# KiCad board System-Controller-UVC.kicad_pcb
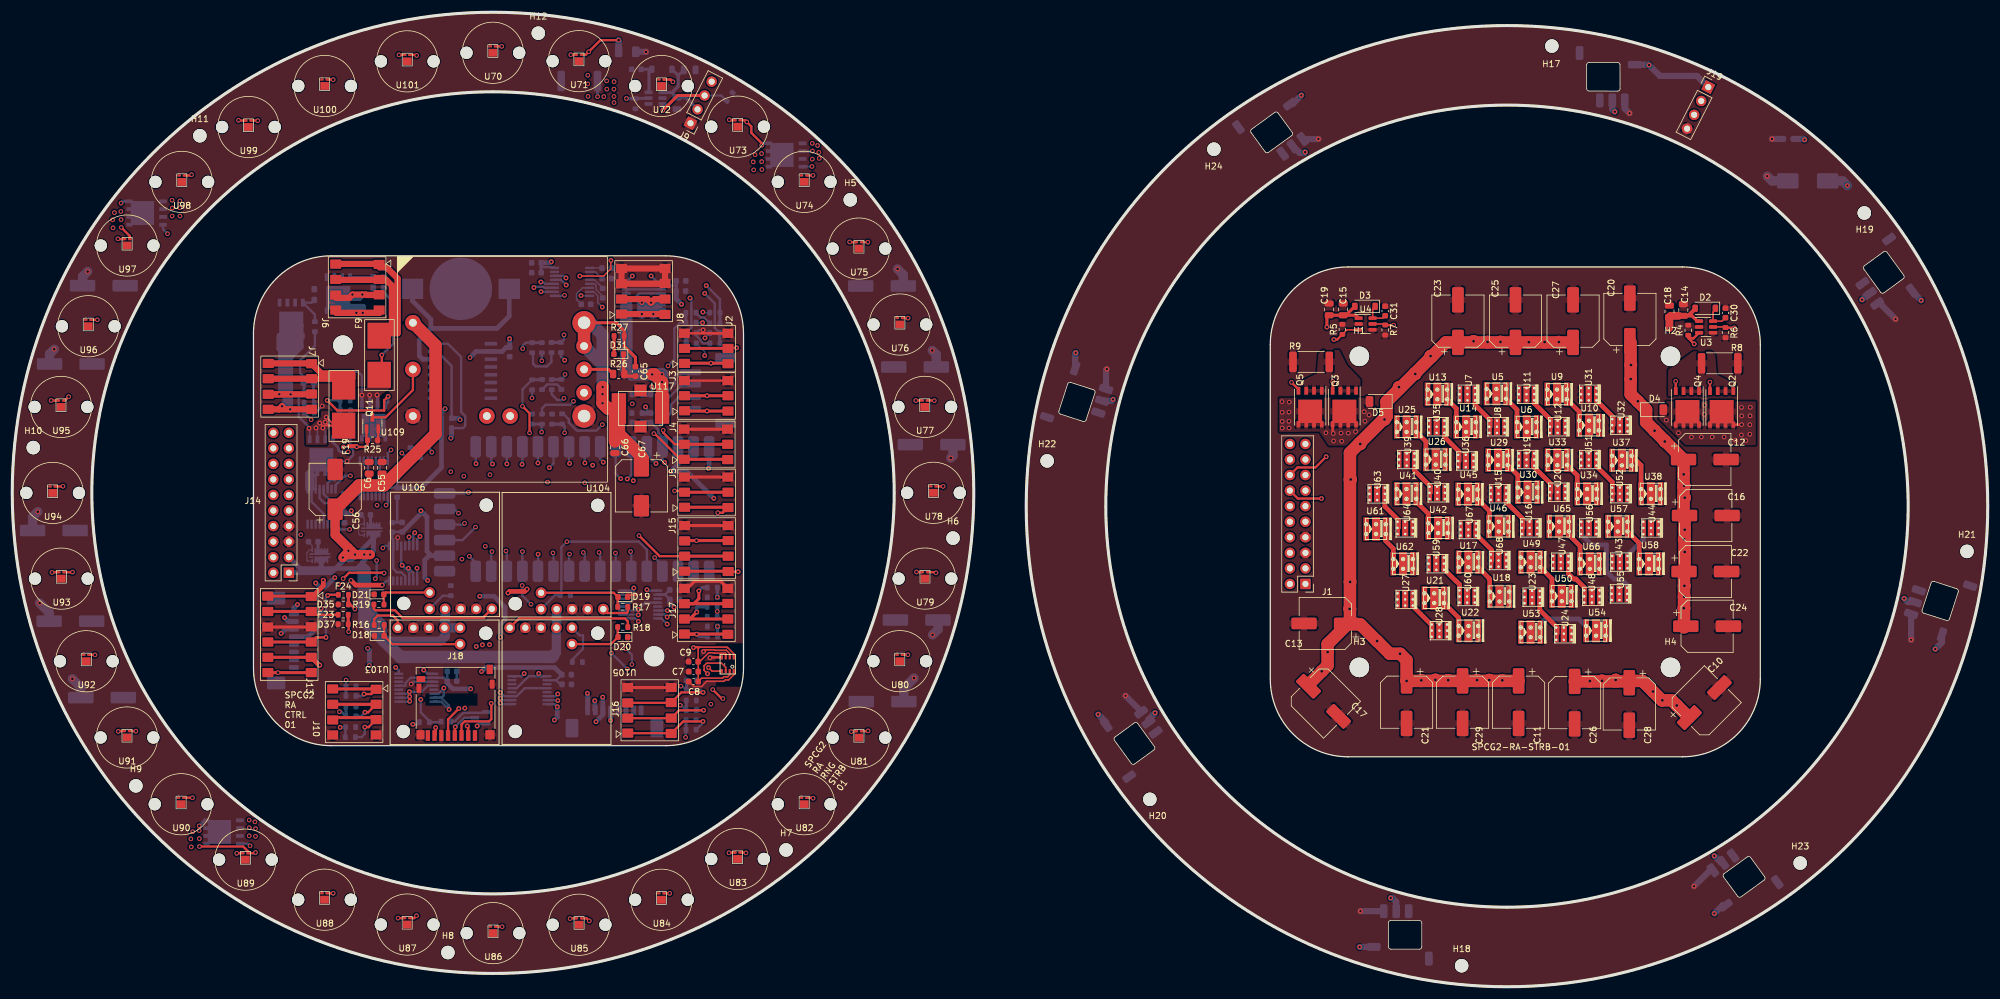
[diagram p0: board, top side]
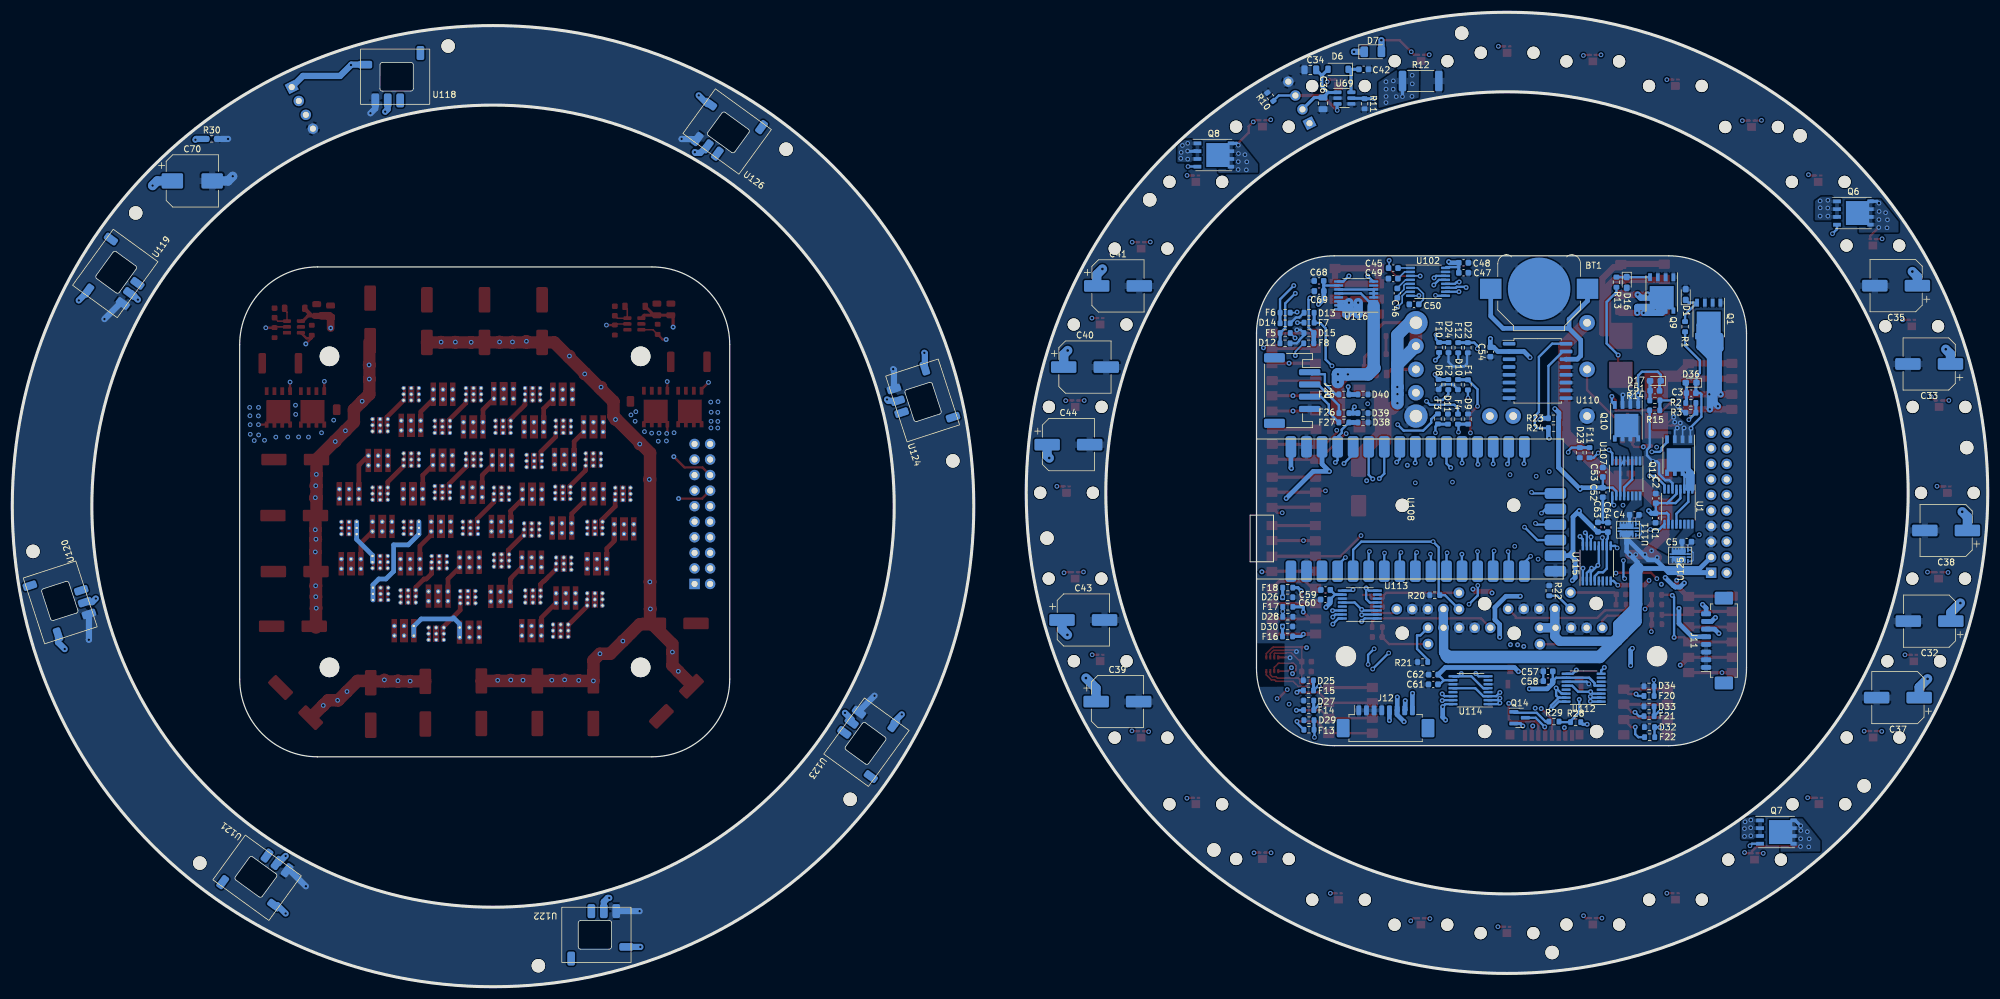
[diagram p1: board, bottom side, seen from below]

Outline 322.5 x 159.15 mm; copper layers: Top, In1.Cu, In2.Cu, In3.Cu, In4.Cu, Bottom. Coordinates in mm from the lower left corner of the outline.
Outline path: circle c53.98,53.97 r1.59 ; circle c78.49,80.66 r65.49 ; circle c78.49,80.66 r78.49 ; circle c104.78,53.97 r1.59 ; circle c244.02,78.49 r65.49 ; circle c244.02,78.49 r78.49 ; 39.38,106.67 arc(43.1,115.65) 52.08,119.37 106.68,119.37 arc(115.66,115.65) 119.38,106.67 119.38,52.07 arc(115.66,43.09) 106.68,39.37 52.08,39.37 arc(43.1,43.09) 39.38,52.07 39.38,106.67 ; 205.37,104.85 arc(209.09,113.83) 218.07,117.55 272.67,117.55 arc(281.66,113.83) 285.37,104.85 285.37,50.25 arc(281.66,41.27) 272.67,37.55 218.07,37.55 arc(209.09,41.27) 205.37,50.25 205.37,104.85
Stack: Top 0.035mm / dielectric 0.2715mm FR4 er 4.5 / In1.Cu 0.035mm / dielectric 0.2715mm FR4 er 4.5 / In2.Cu 0.035mm / dielectric 0.2715mm FR4 er 4.5 / In3.Cu 0.035mm / dielectric 0.2715mm FR4 er 4.5 / In4.Cu 0.035mm / dielectric 0.2715mm FR4 er 4.5 / Bottom 0.035mm

## Placement (name value [footprint] x y rotation side)
BT1  Battery_Cell  [BatteryHolder_Keystone_3000_1x12mm]  73.24 113.98 0 bottom
C1  1 uF  [C_0603_1608Metric]  54.24 76.54 270 bottom
C2  0.1 uF  [C_0603_1608Metric]  54.19 79.76 90 bottom
C3  1 uF  [C_0603_1608Metric]  48.42 96.95 0 bottom
C4  0.1 uF  [C_0603_1608Metric]  57.71 77.06 0 bottom
C5  0.1 uF  [C_0603_1608Metric]  49.14 72.67 0 bottom
C6  10 uF 50V  [C_0805_2012Metric]  58.27 84.75 90 top
C7  0.1 uF  [C_0603_1608Metric]  111.22 51.47 180 top
C8  1 uF  [C_0603_1608Metric]  111.22 49.84 180 top
C9  0.1 uF  [C_0603_1608Metric]  111.19 53.09 180 top
C10  560 uF  [CP_Elec_8x11.9]  276.24 46.41 45 top
C11  560 uF  [CP_Elec_8x11.9]  245.91 46.47 270 top
C12  560 uF  [CP_Elec_8x11.9]  276.31 86.1 0 top
C13  560 uF  [CP_Elec_8x11.9]  214.36 59.33 180 top
C14  10 uF  [C_0805_2012Metric]  272.8 110.51 90 top
C15  10 uF  [C_0805_2012Metric]  217.27 110.61 90 top
C16  560 uF  [CP_Elec_8x11.9]  276.48 76.95 0 top
C17  560 uF  [CP_Elec_8x11.9]  214.07 46.61 315 top
C18  1 uF  [C_0805_2012Metric]  270.54 110.29 90 top
C19  1 uF  [C_0805_2012Metric]  214.99 110.61 90 top
C20  560 uF  [CP_Elec_8x11.9]  264.08 108.99 90 top
C21  560 uF  [CP_Elec_8x11.9]  227.63 46.47 270 top
C22  560 uF  [CP_Elec_8x11.9]  276.39 67.81 0 top
C23  560 uF  [CP_Elec_8x11.9]  236.01 108.7 90 top
C24  560 uF  [CP_Elec_8x11.9]  276.69 58.87 0 top
C25  560 uF  [CP_Elec_8x11.9]  245.41 108.7 90 top
C26  560 uF  [CP_Elec_8x11.9]  255.06 46.39 270 top
C27  560 uF  [CP_Elec_8x11.9]  254.8 108.7 90 top
C28  560 uF  [CP_Elec_8x11.9]  263.98 46.18 270 top
C29  560 uF  [CP_Elec_8x11.9]  236.77 46.47 270 top
C30  0.22 uF  [C_0603_1608Metric]  279.69 110.04 270 top
C31  0.22 uF  [C_0603_1608Metric]  224.13 110.36 270 top
C32  560 uF  [CP_Elec_8x11.9]  9.5 59.71 0 bottom
C33  560 uF  [CP_Elec_8x11.9]  9.56 101.71 0 bottom
C34  10 uF  [C_0805_2012Metric]  110.59 149.74 0 bottom
C35  560 uF  [CP_Elec_8x11.9]  14.96 114.49 0 bottom
C36  1 uF  [C_0805_2012Metric]  108.52 144.27 270 bottom
C37  560 uF  [CP_Elec_8x11.9]  14.66 47.22 0 bottom
C38  560 uF  [CP_Elec_8x11.9]  6.79 74.52 0 bottom
C39  560 uF  [CP_Elec_8x11.9]  142.09 46.57 180 bottom
C40  560 uF  [CP_Elec_8x11.9]  147.38 101.2 180 bottom
C41  560 uF  [CP_Elec_8x11.9]  141.99 114.45 180 bottom
C42  0.22 uF  [C_0603_1608Metric]  101.88 149.83 0 bottom
C43  560 uF  [CP_Elec_8x11.9]  147.65 59.9 180 bottom
C44  560 uF  [CP_Elec_8x11.9]  150.08 88.53 180 bottom
C45  100 nF  [C_0603_1608Metric]  97.04 117.36 180 bottom
C46  100 nF  [C_0603_1608Metric]  96.39 113.27 90 bottom
C47  100 nF  [C_0603_1608Metric]  85.58 116.6 180 bottom
C48  100 nF  [C_0603_1608Metric]  85.58 118.23 180 bottom
C49  100 nF  [C_0603_1608Metric]  97.06 115.65 0 bottom
C50  100 nF  [C_0603_1608Metric]  93.66 111.45 180 bottom
C51  1 uF  [C_0603_1608Metric]  54.35 97.33 0 bottom
C52  1 uF  [C_0603_1608Metric]  62.84 80.72 270 bottom
C53  0.1 uF  [C_0603_1608Metric]  62.84 84.03 90 bottom
C54  1 uF  [C_0603_1608Metric]  81.2 103.68 90 bottom
C55  10 uF 50V  [C_0805_2012Metric]  60.37 84.76 90 top
C56  220 uF 50V  [CP_Elec_8x10]  52.72 81.23 90 top
C57  1 uF  [C_0603_1608Metric]  71.79 51.51 0 bottom
C58  0.1 uF  [C_0603_1608Metric]  71.79 49.92 0 bottom
C59  1 uF  [C_0603_1608Metric]  108.11 64.81 0 bottom
C60  0.1 uF  [C_0603_1608Metric]  108.14 63.24 0 bottom
C61  1 uF  [C_0603_1608Metric]  90.53 49.38 0 bottom
C62  0.1 uF  [C_0603_1608Metric]  90.5 50.97 0 bottom
C63  1 uF  [C_0603_1608Metric]  63.65 75.06 90 bottom
C64  0.1 uF  [C_0603_1608Metric]  62.02 75.02 90 bottom
C65  0.1 uF 50V  [C_0603_1608Metric]  101.73 100.5 270 top
C66  10 uF 25V  [C_0805_2012Metric]  98.38 88.1 270 top
C67  330 uF 25V  [CP_Elec_8x10]  102.71 81.8 270 top
C68  1 uF  [C_0603_1608Metric]  109.18 115.27 0 bottom
C69  0.1 uF  [C_0603_1608Metric]  109.16 113.61 0 bottom
C70  220 uF 50V  [CP_Elec_8x10]  293.11 131.6 180 bottom
D1  CZRU52C15  [D_0603_1608Metric_Pad1.05x0.95mm_HandSolder]  49.31 113.04 90 bottom
D2  BAV3004W  [D_SOD-123]  276.38 110.8 180 top
D3  BAV3004W  [D_SOD-123]  220.83 111.12 180 top
D4  SD1206S040S2R0  [D_1206_3216Metric]  268.13 94.23 0 top
D5  SD1206S040S2R0  [D_1206_3216Metric]  222.98 95.58 180 top
D6  BAV3004W  [D_SOD-123]  106.05 149.83 0 bottom
D7  SD1206S040S2R0  [D_1206_3216Metric]  100.39 152.69 180 bottom
D8  SP1103C-01UTG  [R_0603_1608Metric]  89.64 98.37 270 bottom
D9  SP1103C-01UTG  [R_0603_1608Metric]  84.85 92.71 90 bottom
D10  SP1103C-01UTG  [R_0603_1608Metric]  86.49 98.35 270 bottom
D11  SP1103C-01UTG  [R_0603_1608Metric]  88.13 92.7 90 bottom
D12  CPDUR12V-HF  [R_0603_1608Metric]  114.72 105.08 180 bottom
D13  CPDUR12V-HF  [R_0603_1608Metric]  110.79 110.07 0 bottom
D14  CPDUR12V-HF  [R_0603_1608Metric]  114.71 108.36 180 bottom
D15  CPDUR12V-HF  [R_0603_1608Metric]  110.82 106.76 0 bottom
D16  CZRU52C15  [D_0603_1608Metric_Pad1.05x0.95mm_HandSolder]  58.94 115.03 270 bottom
D17  CZRU52C15  [D_0603_1608Metric_Pad1.05x0.95mm_HandSolder]  54.25 98.95 0 bottom
D18  GRN 1.9V/2mA  [LED_0603_1608Metric]  59.92 57.3 0 top
D19  RED 1.8V/2mA  [LED_0603_1608Metric]  99.67 63.65 180 top
D20  YEL 1.85V/2mA  [LED_0603_1608Metric]  99.67 57.11 180 top
D21  PURP 2.8V/2mA  [LED_0603_1608Metric]  59.87 64.07 0 top
D22  SP1103C-01UTG  [R_0603_1608Metric]  84.88 104.36 270 bottom
D23  SP1103C-01UTG  [R_0603_1608Metric]  66.6 87.22 270 bottom
D24  SP1103C-01UTG  [R_0603_1608Metric]  88.03 104.39 270 bottom
D25  SP1103C-01UTG  [R_0603_1608Metric]  110.9 50.04 0 bottom
D26  SP1103C-01UTG  [R_0603_1608Metric]  114.29 63.61 180 bottom
D27  SP1103C-01UTG  [R_0603_1608Metric]  110.86 46.74 0 bottom
D28  SP1103C-01UTG  [R_0603_1608Metric]  114.27 60.42 180 bottom
D29  SP1103C-01UTG  [R_0603_1608Metric]  110.81 43.53 0 bottom
D30  SP1103C-01UTG  [R_0603_1608Metric]  114.3 58.83 180 bottom
D31  Yellow 2V 2mA  [LED_0603_1608Metric]  99.01 103.31 180 top
D32  SP1103C-01UTG  [R_0603_1608Metric]  55.22 42.4 0 bottom
D33  SP1103C-01UTG  [R_0603_1608Metric]  55.29 45.77 0 bottom
D34  SP1103C-01UTG  [R_0603_1608Metric]  55.29 49.06 0 bottom
D35  SP1103C-01UTG  [R_0603_1608Metric]  54.05 62.43 180 top
D36  CZRU52C15  [D_0603_1608Metric_Pad1.05x0.95mm_HandSolder]  48.42 98.65 0 bottom
D37  SP1103C-01UTG  [R_0603_1608Metric]  54.02 59.21 180 top
D38  SP1103C-01UTG  [R_0603_1608Metric]  101.99 92.15 180 bottom
D39  SP1103C-01UTG  [R_0603_1608Metric]  101.99 93.68 180 bottom
D40  SP1103C-01UTG  [R_0603_1608Metric]  101.99 96.73 180 bottom
F1  PTC  [R_0603_1608Metric]  84.86 98.3 90 bottom
F2  PTC  [R_0603_1608Metric]  88.07 98.34 90 bottom
F3  PTC  [R_0603_1608Metric]  89.76 92.73 270 bottom
F4  PTC  [R_0603_1608Metric]  86.49 92.7 270 bottom
F5  PTC  [R_0603_1608Metric]  114.69 106.76 0 bottom
F6  PTC  [R_0603_1608Metric]  114.71 110.08 0 bottom
F7  PTC  [R_0603_1608Metric]  110.79 108.45 180 bottom
F8  PTC  [R_0603_1608Metric]  110.84 105.08 180 bottom
F9  01550900M(Holder)  [01550900M]  59.91 103.13 270 top
F10  PTC  [R_0603_1608Metric]  89.57 104.41 90 bottom
F11  PTC  [R_0603_1608Metric]  65.01 87.23 90 bottom
F12  PTC  [R_0603_1608Metric]  86.45 104.36 90 bottom
F13  PTC  [R_0603_1608Metric]  110.81 41.97 180 bottom
F14  PTC  [R_0603_1608Metric]  110.86 45.18 180 bottom
F15  PTC  [R_0603_1608Metric]  110.89 48.39 180 bottom
F16  PTC  [R_0603_1608Metric]  114.3 57.21 0 bottom
F17  PTC  [R_0603_1608Metric]  114.27 62.05 0 bottom
F18  PTC  [R_0603_1608Metric]  114.28 65.18 0 bottom
F19  01550900M(Holder)  [01550900M]  54.1 94.83 270 top
F20  PTC  [R_0603_1608Metric]  55.29 47.49 180 bottom
F21  PTC  [R_0603_1608Metric]  55.29 44.18 180 bottom
F22  PTC  [R_0603_1608Metric]  55.19 40.76 180 bottom
F23  PTC  [R_0603_1608Metric]  54.03 60.75 180 top
F24  PTC  [R_0603_1608Metric]  54.06 64.01 180 top
F25  PTC  [R_0603_1608Metric]  105.1 96.73 180 bottom
F26  PTC  [R_0603_1608Metric]  105.1 93.68 180 bottom
F27  PTC  [R_0603_1608Metric]  105.1 92.15 180 bottom
H1  MountingHole_Pad  [MountingHole_3.2mm_M3]  219.91 102.95 0 top
H2  MountingHole_Pad  [MountingHole_3.2mm_M3]  270.71 102.95 0 top
H3  MountingHole_Pad  [MountingHole_3.2mm_M3]  219.91 52.15 0 top
H4  MountingHole_Pad  [MountingHole_3.2mm_M3]  270.71 52.15 0 top
H5  MountingHole_Pad  [MountingHole_2.2mm_M2_ISO7380]  136.81 128.52 0 top
H6  MountingHole_Pad  [MountingHole_2.2mm_M2_ISO7380]  153.58 73.27 0 top
H7  MountingHole_Pad  [MountingHole_2.2mm_M2_ISO7380]  126.33 22.34 0 top
H8  MountingHole_Pad  [MountingHole_2.2mm_M2_ISO7380]  71.12 5.59 0 top
H9  MountingHole_Pad  [MountingHole_2.2mm_M2_ISO7380]  20.18 32.81 0 top
H10  MountingHole_Pad  [MountingHole_2.2mm_M2_ISO7380]  3.43 88.05 0 top
H11  MountingHole_Pad  [MountingHole_2.2mm_M2_ISO7380]  30.63 138.98 0 top
H12  MountingHole_Pad  [MountingHole_2.2mm_M2_ISO7380]  85.88 155.73 0 top
H13  MountingHole_Pad  [MountingHole_3.2mm_M3_ISO14580]  53.98 104.77 0 top
H14  MountingHole_Pad  [MountingHole_3.2mm_M3_ISO14580]  104.78 53.97 0 top
H15  MountingHole_Pad  [MountingHole_3.2mm_M3_ISO14580]  53.98 53.97 0 top
H16  MountingHole_Pad  [MountingHole_3.2mm_M3_ISO14580]  104.78 104.77 0 top
H17  MountingHole_Pad  [MountingHole_2.2mm_M2_ISO7380]  251.34 153.62 0 top
H18  MountingHole_Pad  [MountingHole_2.2mm_M2_ISO7380]  236.61 3.43 0 top
H19  MountingHole_Pad  [MountingHole_2.2mm_M2_ISO7380]  302.35 126.37 0 top
H20  MountingHole_Pad  [MountingHole_2.2mm_M2_ISO7380]  185.71 30.61 0 top
H21  MountingHole_Pad  [MountingHole_2.2mm_M2_ISO7380]  319.11 71.1 0 top
H22  MountingHole_Pad  [MountingHole_2.2mm_M2_ISO7380]  168.95 85.88 0 top
H23  MountingHole_Pad  [MountingHole_2.2mm_M2_ISO7380]  291.88 20.2 0 top
H24  MountingHole_Pad  [MountingHole_2.2mm_M2_ISO7380]  196.17 136.78 0 top
J1  Conn_02x10_Odd_Even  [PinHeader_2x10_P2.54mm_Vertical]  211.11 65.78 180 top
J2  RS-232-0  [009276003021906]  116.82 104.22 90 top
J3  RS-232-1  [009276003021906]  116.82 96.49 90 top
J4  UART-0  [009276003021906]  116.77 88.56 90 top
J5  UART-1  [009276003021906]  116.82 80.73 90 top
J6  PWR IN  [009276004021006]  52.8 114.26 270 top
J7  PWR IN  [009276004021006]  41.78 98.05 270 top
J8  12V  [009276004021006]  106.57 113.56 90 top
J9  Conn_01x04  [PinHeader_1x04_P2.54mm_Vertical]  110.72 141.02 153 top
J10  GPIO_TRIG_02  [009276004021006]  52.31 44.88 270 top
J11  Conn_01x08  [Molex_PicoBlade_53261-0871_1x08-1MP_P1.25mm_Horizontal]  43.58 56.53 90 bottom
J12  Conn_01x08  [Molex_PicoBlade_53261-0871_1x08-1MP_P1.25mm_Horizontal]  98.3 42.74 180 bottom
J13  LED_BOARD_CONN  [009276006021906]  41.72 57.55 270 top
J14  Conn_02x10_Odd_Even  [PinHeader_2x10_P2.54mm_Vertical]  45.16 67.61 180 top
J15  GPIO_TRIG_01  [009276004021006]  116.87 71.57 90 top
J16  ANLG_IN  [009276004021006]  107.58 45.12 90 top
J17  GPIO_TRIG_02  [009276004021006]  116.82 61.31 90 top
J18  Micro_SD_Card_Det_Hirose_DM3AT  [microSD_HC_Hirose_DM3D-SF]  72.37 46.38 0 top
J19  Conn_01x04  [PinHeader_1x04_P2.54mm_Vertical]  276.88 146.92 333 top
J20  I2C  [JST_PH_S4B-PH-SM4-TB_1x04-1MP_P2.00mm_Horizontal]  113.55 97.36 270 bottom
Q1  SIR638ADP-T1-RE3  [PowerPAK_SO-8_Single]  45.55 109.05 270 bottom
Q2  SIR638ADP-T1-RE3  [PowerPAK_SO-8_Single]  279.06 94.6 270 top
Q3  SIR638ADP-T1-RE3  [PowerPAK_SO-8_Single]  217.47 94.66 270 top
Q4  SIR638ADP-T1-RE3  [PowerPAK_SO-8_Single]  273.47 94.6 270 top
Q5  SIR638ADP-T1-RE3  [PowerPAK_SO-8_Single]  211.88 94.66 270 top
Q6  SIR638ADP-T1-RE3  [PowerPAK_SO-8_Single]  21.94 126.36 180 bottom
Q7  SIR638ADP-T1-RE3  [PowerPAK_SO-8_Single]  34.5 25.26 180 bottom
Q8  SIR638ADP-T1-RE3  [PowerPAK_SO-8_Single]  126.35 135.83 180 bottom
Q9  SIR638ADP-T1-RE3  [PowerPAK_SO-8_Single]  53.22 113.21 270 bottom
Q10  SI7155DP-T1-GE3  [PowerPAK_SO-8_Single]  58.98 92.35 270 bottom
Q11  2N7002  [SOT-23]  58.79 92.06 90 top
Q12  SI7155DP-T1-GE3  [PowerPAK_SO-8_Single]  50.45 86.73 270 bottom
Q14  Q_PMOS_GSD  [SOT-23]  76.43 43.93 180 bottom
R1  10K  [R_0603_1608Metric]  49.41 107.8 90 bottom
R2  100  [R_0603_1608Metric]  48.47 95.35 0 bottom
R3  499k  [R_0603_1608Metric]  48.47 93.75 0 bottom
R4  10K  [R_0603_1608Metric]  273.6 107.21 90 top
R5  10K  [R_0603_1608Metric]  217.14 107.36 90 top
R6  10K  [R_0603_1608Metric]  279.69 106.83 270 top
R7  10K  [R_0603_1608Metric]  224.13 107.25 270 top
R8  .001 2W  [R_2512_6332Metric]  278.74 101.81 0 top
R9  .001 2W  [R_2512_6332Metric]  212.04 102.05 180 top
R10  10K  [R_0603_1608Metric]  117.11 145.33 54 bottom
R11  10K  [R_0603_1608Metric]  101.74 144.2 270 bottom
R12  .001 2W  [R_2512_6332Metric]  92.58 147.92 180 bottom
R13  10K  [R_0603_1608Metric]  60.62 115.08 90 bottom
R14  100  [R_0603_1608Metric]  54.34 95.75 0 bottom
R15  499k  [R_0603_1608Metric]  54.37 94.13 0 bottom
R16  10k  [R_0603_1608Metric]  59.9 59.07 180 top
R17  10k  [R_0603_1608Metric]  99.67 62.03 0 top
R18  10k  [R_0603_1608Metric]  99.66 58.74 0 top
R19  10k  [R_0603_1608Metric]  59.86 62.42 180 top
R20  10k  [R_0603_1608Metric]  90.28 63.95 180 bottom
R21  10k  [R_0603_1608Metric]  92.26 53.03 180 bottom
R22  10k  [R_0603_1608Metric]  71.59 64.68 270 bottom
R23  10k  [R_0603_1608Metric]  70.89 92.84 180 bottom
R24  10k  [R_0603_1608Metric]  70.9 91.24 180 bottom
R25  10K  [R_0603_1608Metric]  58.82 89.24 0 top
R26  3.3k 0.1%  [R_0805_2012Metric]  99.01 100.06 0 top
R27  10K  [R_0603_1608Metric]  99.07 106.27 180 top
R28  10k  [R_0603_1608Metric]  67.28 43.21 180 bottom
R29  100  [R_0603_1608Metric]  70.82 43.31 180 bottom
R30  10K  [R_0603_1608Metric]  289.94 138.46 180 bottom
U1  INA260  [TSSOP-16_4.4x5mm_P0.65mm]  50.5 78.4 270 bottom
U2  -  [BME280]  116.8 52.67 270 top
U3  LTC4440ES6  [SOT-23-6]  276.52 107.75 0 top
U4  LTC4440ES6  [SOT-23-6]  220.94 108.24 0 top
U5  Cree XP-L  [Cree_XP-L_HI-vias-4]  242.28 96.85 180 top
U6  Cree XP-L  [Cree_XP-L_HI-vias-4]  247.25 91.43 180 top
U7  -  [SST-10-IR]  237.55 96.77 90 top
U8  -  [SST-10-IR]  242.38 91.45 90 top
U9  Cree XP-L  [Cree_XP-L_HI-vias-4]  252.19 96.77 180 top
U10  Cree XP-L  [Cree_XP-L_HI-vias-4]  257.41 91.69 180 top
U11  -  [SST-10-IR]  247.2 96.77 90 top
U12  -  [SST-10-IR]  252.28 91.45 90 top
U13  Cree XP-L  [Cree_XP-L_HI-vias-4]  232.64 96.77 180 top
U14  Cree XP-L  [Cree_XP-L_HI-vias-4]  237.34 91.43 180 top
U15  -  [SST-10-IR]  242.63 80.51 90 top
U16  -  [SST-10-IR]  247.71 74.94 90 top
U17  Cree XP-L  [Cree_XP-L_HI-vias-4]  237.71 69.33 180 top
U18  Cree XP-L  [Cree_XP-L_HI-vias-4]  242.79 63.75 180 top
U19  -  [SST-10-IR]  247.2 86.1 90 top
U20  -  [SST-10-IR]  252.28 80.76 90 top
U21  Cree XP-L  [Cree_XP-L_HI-vias-4]  232.14 63.49 180 top
U22  Cree XP-L  [Cree_XP-L_HI-vias-4]  237.72 58.16 180 top
U23  -  [SST-10-IR]  248.12 63.63 90 top
U24  -  [SST-10-IR]  253.3 57.65 90 top
U25  Cree XP-L  [Cree_XP-L_HI-vias-4]  227.63 91.43 180 top
U26  Cree XP-L  [Cree_XP-L_HI-vias-4]  232.38 86.1 180 top
U27  -  [SST-10-IR]  227.39 63.25 90 top
U28  -  [SST-10-IR]  232.98 58.16 90 top
U29  Cree XP-L  [Cree_XP-L_HI-vias-4]  242.55 86.01 180 top
U30  Cree XP-L  [Cree_XP-L_HI-vias-4]  247.38 80.76 180 top
U31  -  [SST-10-IR]  257.36 96.77 90 top
U32  -  [SST-10-IR]  262.44 91.7 90 top
U33  Cree XP-L  [Cree_XP-L_HI-vias-4]  252.24 86.01 180 top
U34  Cree XP-L  [Cree_XP-L_HI-vias-4]  257.09 80.51 180 top
U35  -  [SST-10-IR]  232.54 91.46 90 top
U36  -  [SST-10-IR]  237.3 85.86 90 top
U37  Cree XP-L  [Cree_XP-L_HI-vias-4]  262.77 85.96 180 top
U38  Cree XP-L  [Cree_XP-L_HI-vias-4]  267.5 80.51 180 top
U39  -  [SST-10-IR]  227.65 86.1 90 top
U40  -  [SST-10-IR]  232.62 80.66 90 top
U41  Cree XP-L  [Cree_XP-L_HI-vias-4]  227.61 80.51 180 top
U42  Cree XP-L  [Cree_XP-L_HI-vias-4]  232.77 74.92 180 top
U43  -  [SST-10-IR]  262.44 69.35 90 top
U44  -  [SST-10-IR]  267.52 74.92 90 top
U45  Cree XP-L  [Cree_XP-L_HI-vias-4]  237.63 80.45 180 top
U46  Cree XP-L  [Cree_XP-L_HI-vias-4]  242.68 75.18 180 top
U47  -  [SST-10-IR]  252.79 69.33 90 top
U48  -  [SST-10-IR]  257.87 63.75 90 top
U49  Cree XP-L  [Cree_XP-L_HI-vias-4]  247.87 69.33 180 top
U50  Cree XP-L  [Cree_XP-L_HI-vias-4]  252.96 63.79 180 top
U51  -  [SST-10-IR]  257.36 86.1 90 top
U52  -  [SST-10-IR]  262.44 80.53 90 top
U53  Cree XP-L  [Cree_XP-L_HI-vias-4]  247.87 57.9 180 top
U54  Cree XP-L  [Cree_XP-L_HI-vias-4]  258.54 58.16 180 top
U55  -  [SST-10-IR]  262.37 64.16 90 top
U56  -  [SST-10-IR]  257.36 74.94 90 top
U57  Cree XP-L  [Cree_XP-L_HI-vias-4]  262.11 75.18 180 top
U58  Cree XP-L  [Cree_XP-L_HI-vias-4]  267.19 69.08 180 top
U59  -  [SST-10-IR]  232.47 69.1 90 top
U60  -  [SST-10-IR]  237.51 63.73 90 top
U61  Cree XP-L  [Cree_XP-L_HI-vias-4]  222.63 74.77 180 top
U62  Cree XP-L  [Cree_XP-L_HI-vias-4]  227.06 69.08 180 top
U63  -  [SST-10-IR]  222.82 80.49 90 top
U64  -  [SST-10-IR]  227.39 74.94 90 top
U65  Cree XP-L  [Cree_XP-L_HI-vias-4]  252.52 75.18 180 top
U66  Cree XP-L  [Cree_XP-L_HI-vias-4]  257.54 69.08 180 top
U67  -  [SST-10-IR]  237.7 74.67 90 top
U68  -  [SST-10-IR]  242.63 69.6 90 top
U69  LTC4440ES6  [SOT-23-6]  105.02 145.13 180 bottom
U70  -  [Cree_XE_G]  78.46 152.53 0 top
U71  -  [Cree_XE_G]  92.51 151.16 0 top
U72  -  [Cree_XE_G]  105.99 147.1 0 top
U73  -  [Cree_XE_G]  118.41 140.46 0 top
U74  -  [Cree_XE_G]  129.28 131.45 0 top
U75  -  [Cree_XE_G]  138.22 120.55 0 top
U76  -  [Cree_XE_G]  144.9 108.15 0 top
U77  -  [Cree_XE_G]  148.96 94.7 0 top
U78  -  [Cree_XE_G]  150.38 80.67 0 top
U79  -  [Cree_XE_G]  149 66.66 0 top
U80  -  [Cree_XE_G]  144.88 53.17 0 top
U81  -  [Cree_XE_G]  138.22 40.68 0 top
U82  -  [Cree_XE_G]  129.28 29.81 0 top
U83  -  [Cree_XE_G]  118.4 20.87 0 top
U84  -  [Cree_XE_G]  105.98 14.21 0 top
U85  -  [Cree_XE_G]  92.53 10.13 0 top
U86  -  [Cree_XE_G]  78.48 8.76 0 top
U87  -  [Cree_XE_G]  64.47 10.16 0 top
U88  -  [Cree_XE_G]  50.97 14.22 0 top
U89  -  [Cree_XE_G]  38.06 20.76 0 top
U90  -  [Cree_XE_G]  27.56 29.81 0 top
U91  -  [Cree_XE_G]  18.73 40.71 0 top
U92  -  [Cree_XE_G]  12.09 53.16 0 top
U93  -  [Cree_XE_G]  8.01 66.65 0 top
U94  -  [Cree_XE_G]  6.59 80.65 0 top
U95  -  [Cree_XE_G]  7.95 94.69 0 top
U96  -  [Cree_XE_G]  12.41 107.87 0 top
U97  -  [Cree_XE_G]  18.75 121.05 0 top
U98  -  [Cree_XE_G]  27.67 131.44 0 top
U99  -  [Cree_XE_G]  38.55 140.41 0 top
U100  -  [Cree_XE_G]  50.99 147.11 0 top
U101  -  [Cree_XE_G]  64.48 151.13 0 top
U102  MAX3232E-QE  [TSSOP-16_4.4x5mm_P0.65mm]  91.38 115.12 180 bottom
U103  -  [D36V28F5]  70.34 50.87 180 top
U104  D36V28F7p5  [D36V28F5]  89.09 69.42 0 top
U105  D36V28F7p5  [D36V28F5]  88.61 50.88 180 top
U106  D36V28F7p5  [D36V28F5]  70.89 69.46 0 top
U107  INA260  [TSSOP-16_4.4x5mm_P0.65mm]  59.03 83.01 270 bottom
U108  MoteinoM0  [MoteinoM0_SMD]  94.71 78.02 90 bottom
U109  i7C4W012A050V-0C3-R  [TDK-I7C4W]  79.38 100.82 0 top
U110  DS3231M  [SOIC-16W_7.5x10.3mm_P1.27mm]  73.49 100.57 180 bottom
U111  -  [LTC4451]  58.71 74.64 270 bottom
U112  INA260  [TSSOP-16_4.4x5mm_P0.65mm]  65.97 48.84 0 bottom
U113  INA260  [TSSOP-16_4.4x5mm_P0.65mm]  102.51 62.42 0 bottom
U114  INA260  [TSSOP-16_4.4x5mm_P0.65mm]  84.44 48.43 0 bottom
U115  INA260  [TSSOP-16_4.4x5mm_P0.65mm]  63.82 69.14 90 bottom
U116  INA260  [TSSOP-16_4.4x5mm_P0.65mm]  103.11 112.9 0 bottom
U117  -  [SBSMP]  102.56 94.43 0 top
U118  ~  [UV-C-LED-SYS]  259.81 148.43 0 bottom
U119  ~  [UV-C-LED-SYS]  305.42 116.53 306 bottom
U120  ~  [UV-C-LED-SYS]  314.55 63.01 252 bottom
U121  ~  [UV-C-LED-SYS]  282.57 18.06 216 bottom
U122  ~  [UV-C-LED-SYS]  227.33 8.66 180 bottom
U123  ~  [UV-C-LED-SYS]  183.32 39.89 126 bottom
U124  ~  [UV-C-LED-SYS]  174 95.51 72 bottom
U125  -  [LTC4451]  50.21 70.41 270 bottom
U126  ~  [UV-C-LED-SYS]  205.75 139.41 36 bottom
